# Altium PCB PA-HF_100W-VHF_60W.PcbDoc (part 1 of 3)
Units mm, origin at the board's own origin, x right, y up, seen from the top; angles counter-clockwise.
Board outline 171 x 171 mm, 2 copper layers (Top Layer, Bottom Layer), stack 1.571 mm thick; 392 components, 217 nets, 1277 pads, 139 vias.
Unrouted connection lines stored in the file: 497.
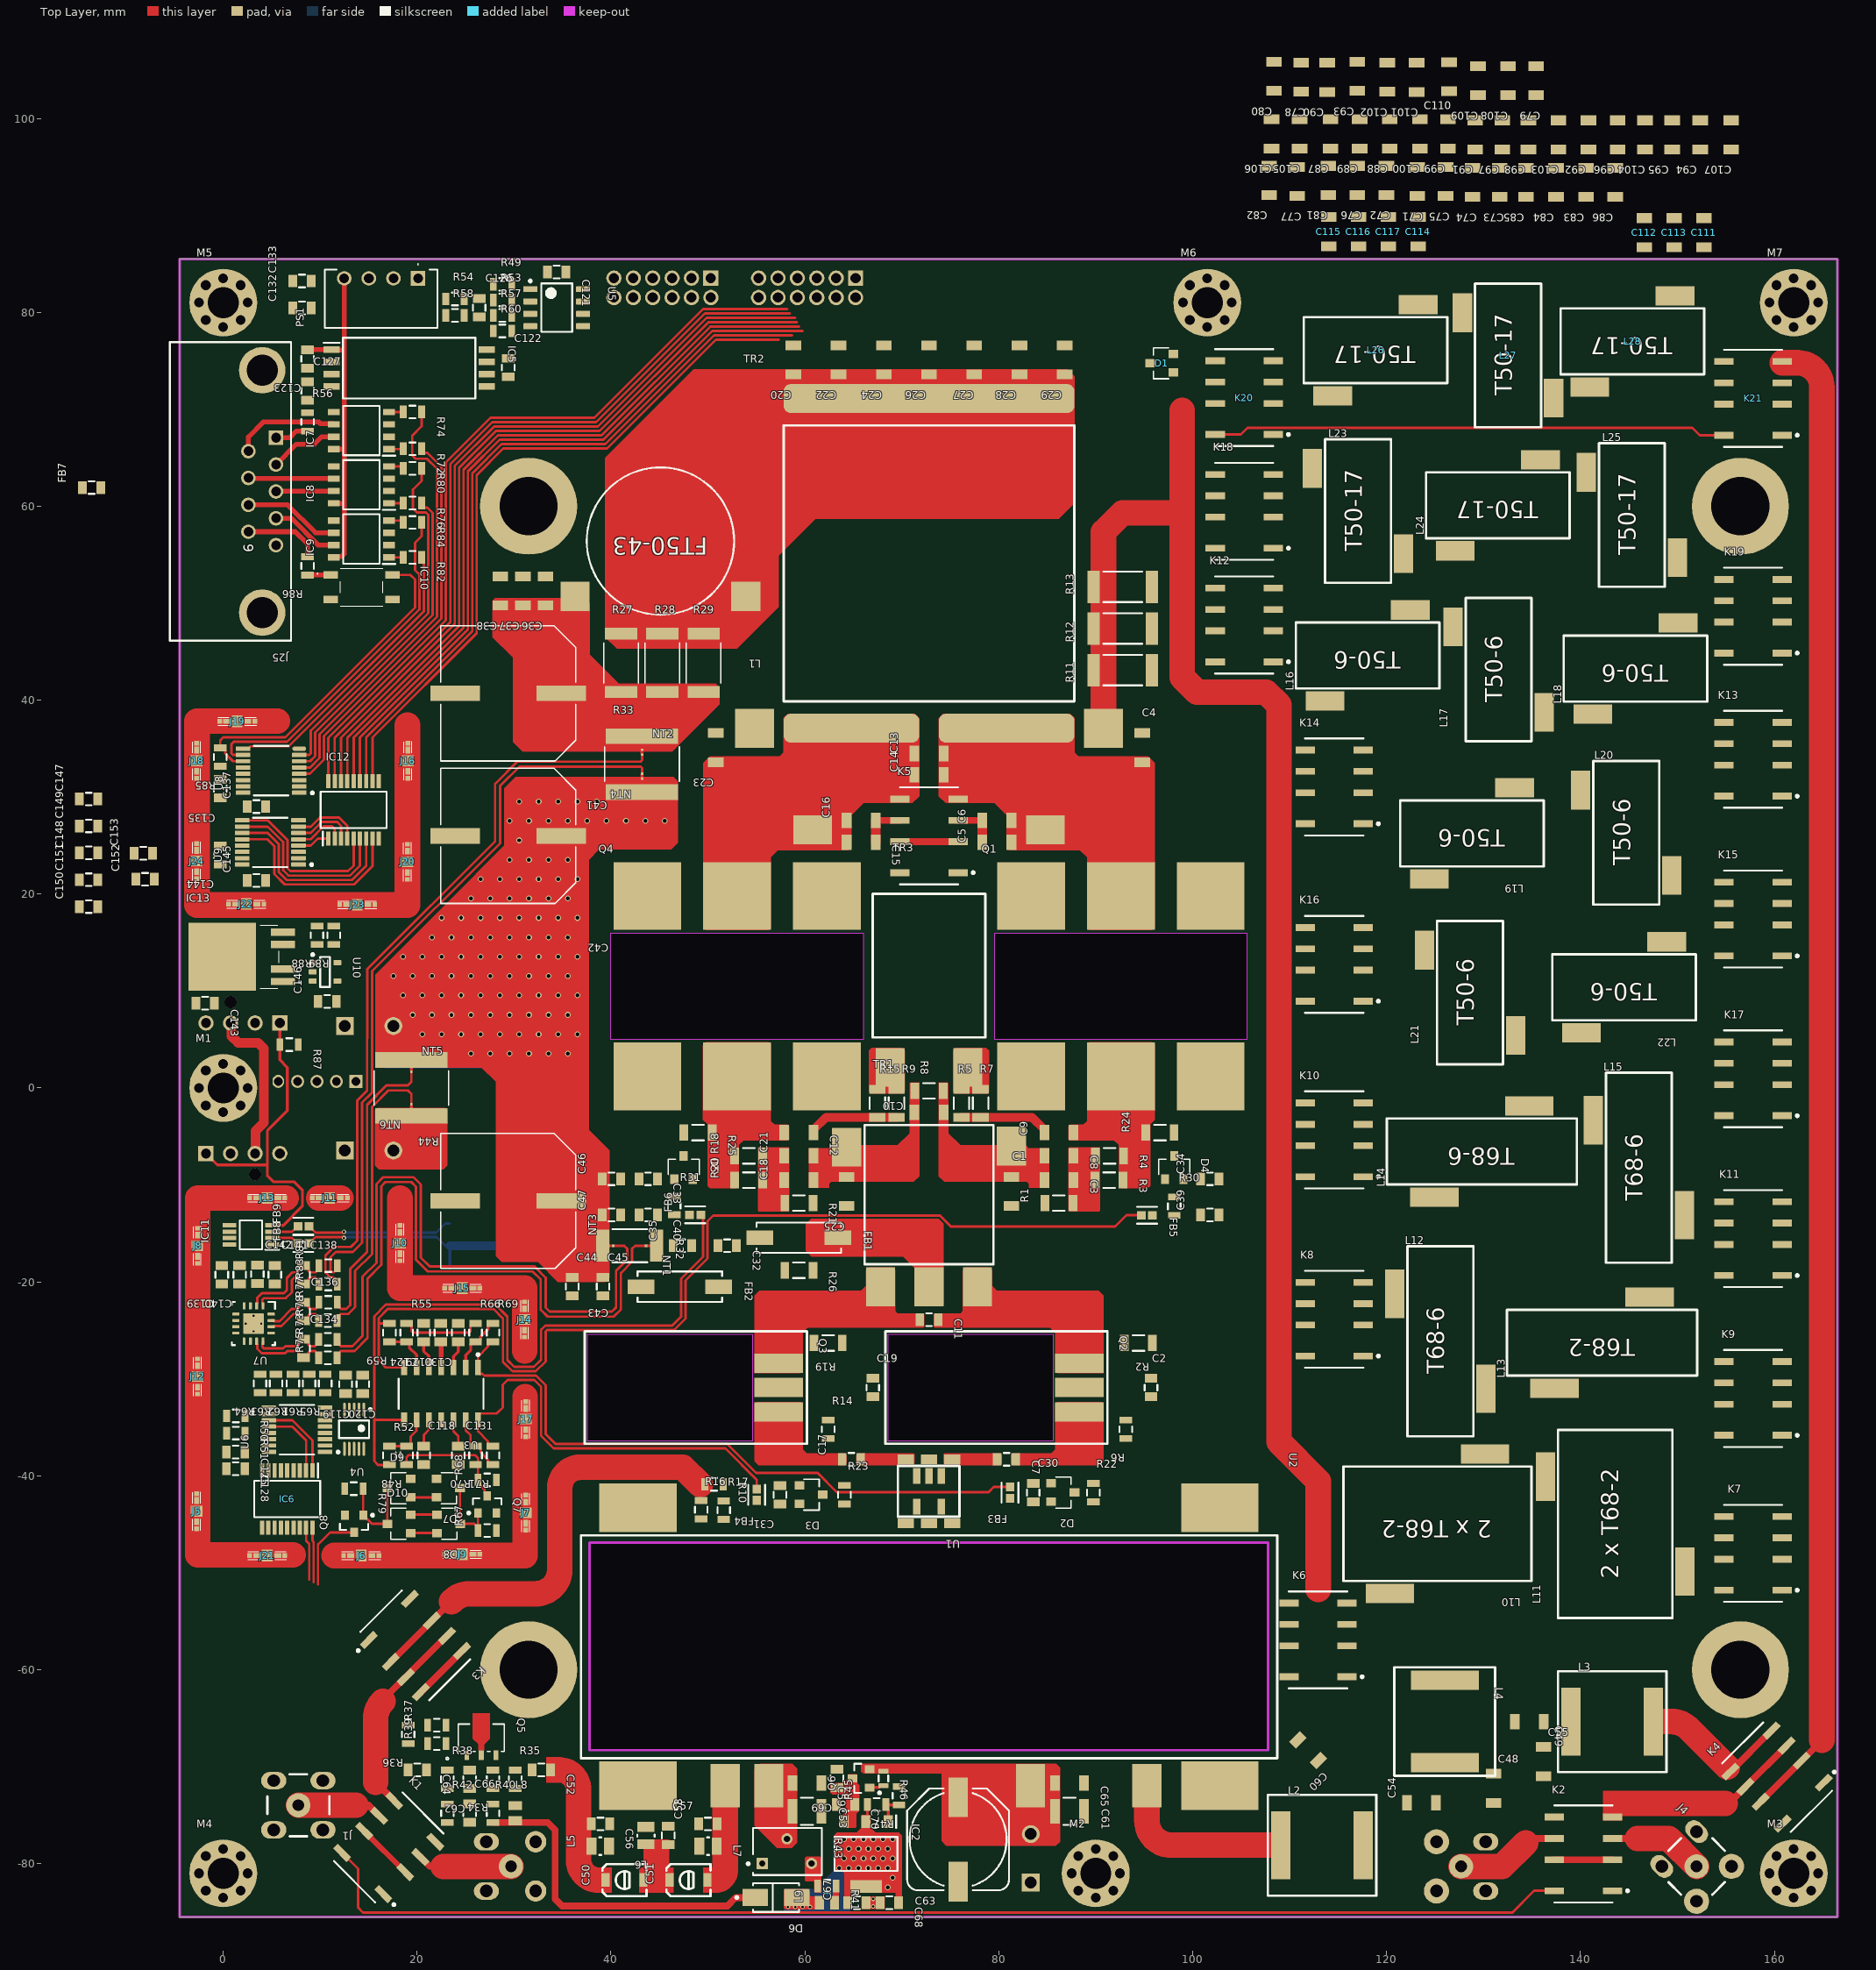
[diagram p0: Top Layer view]
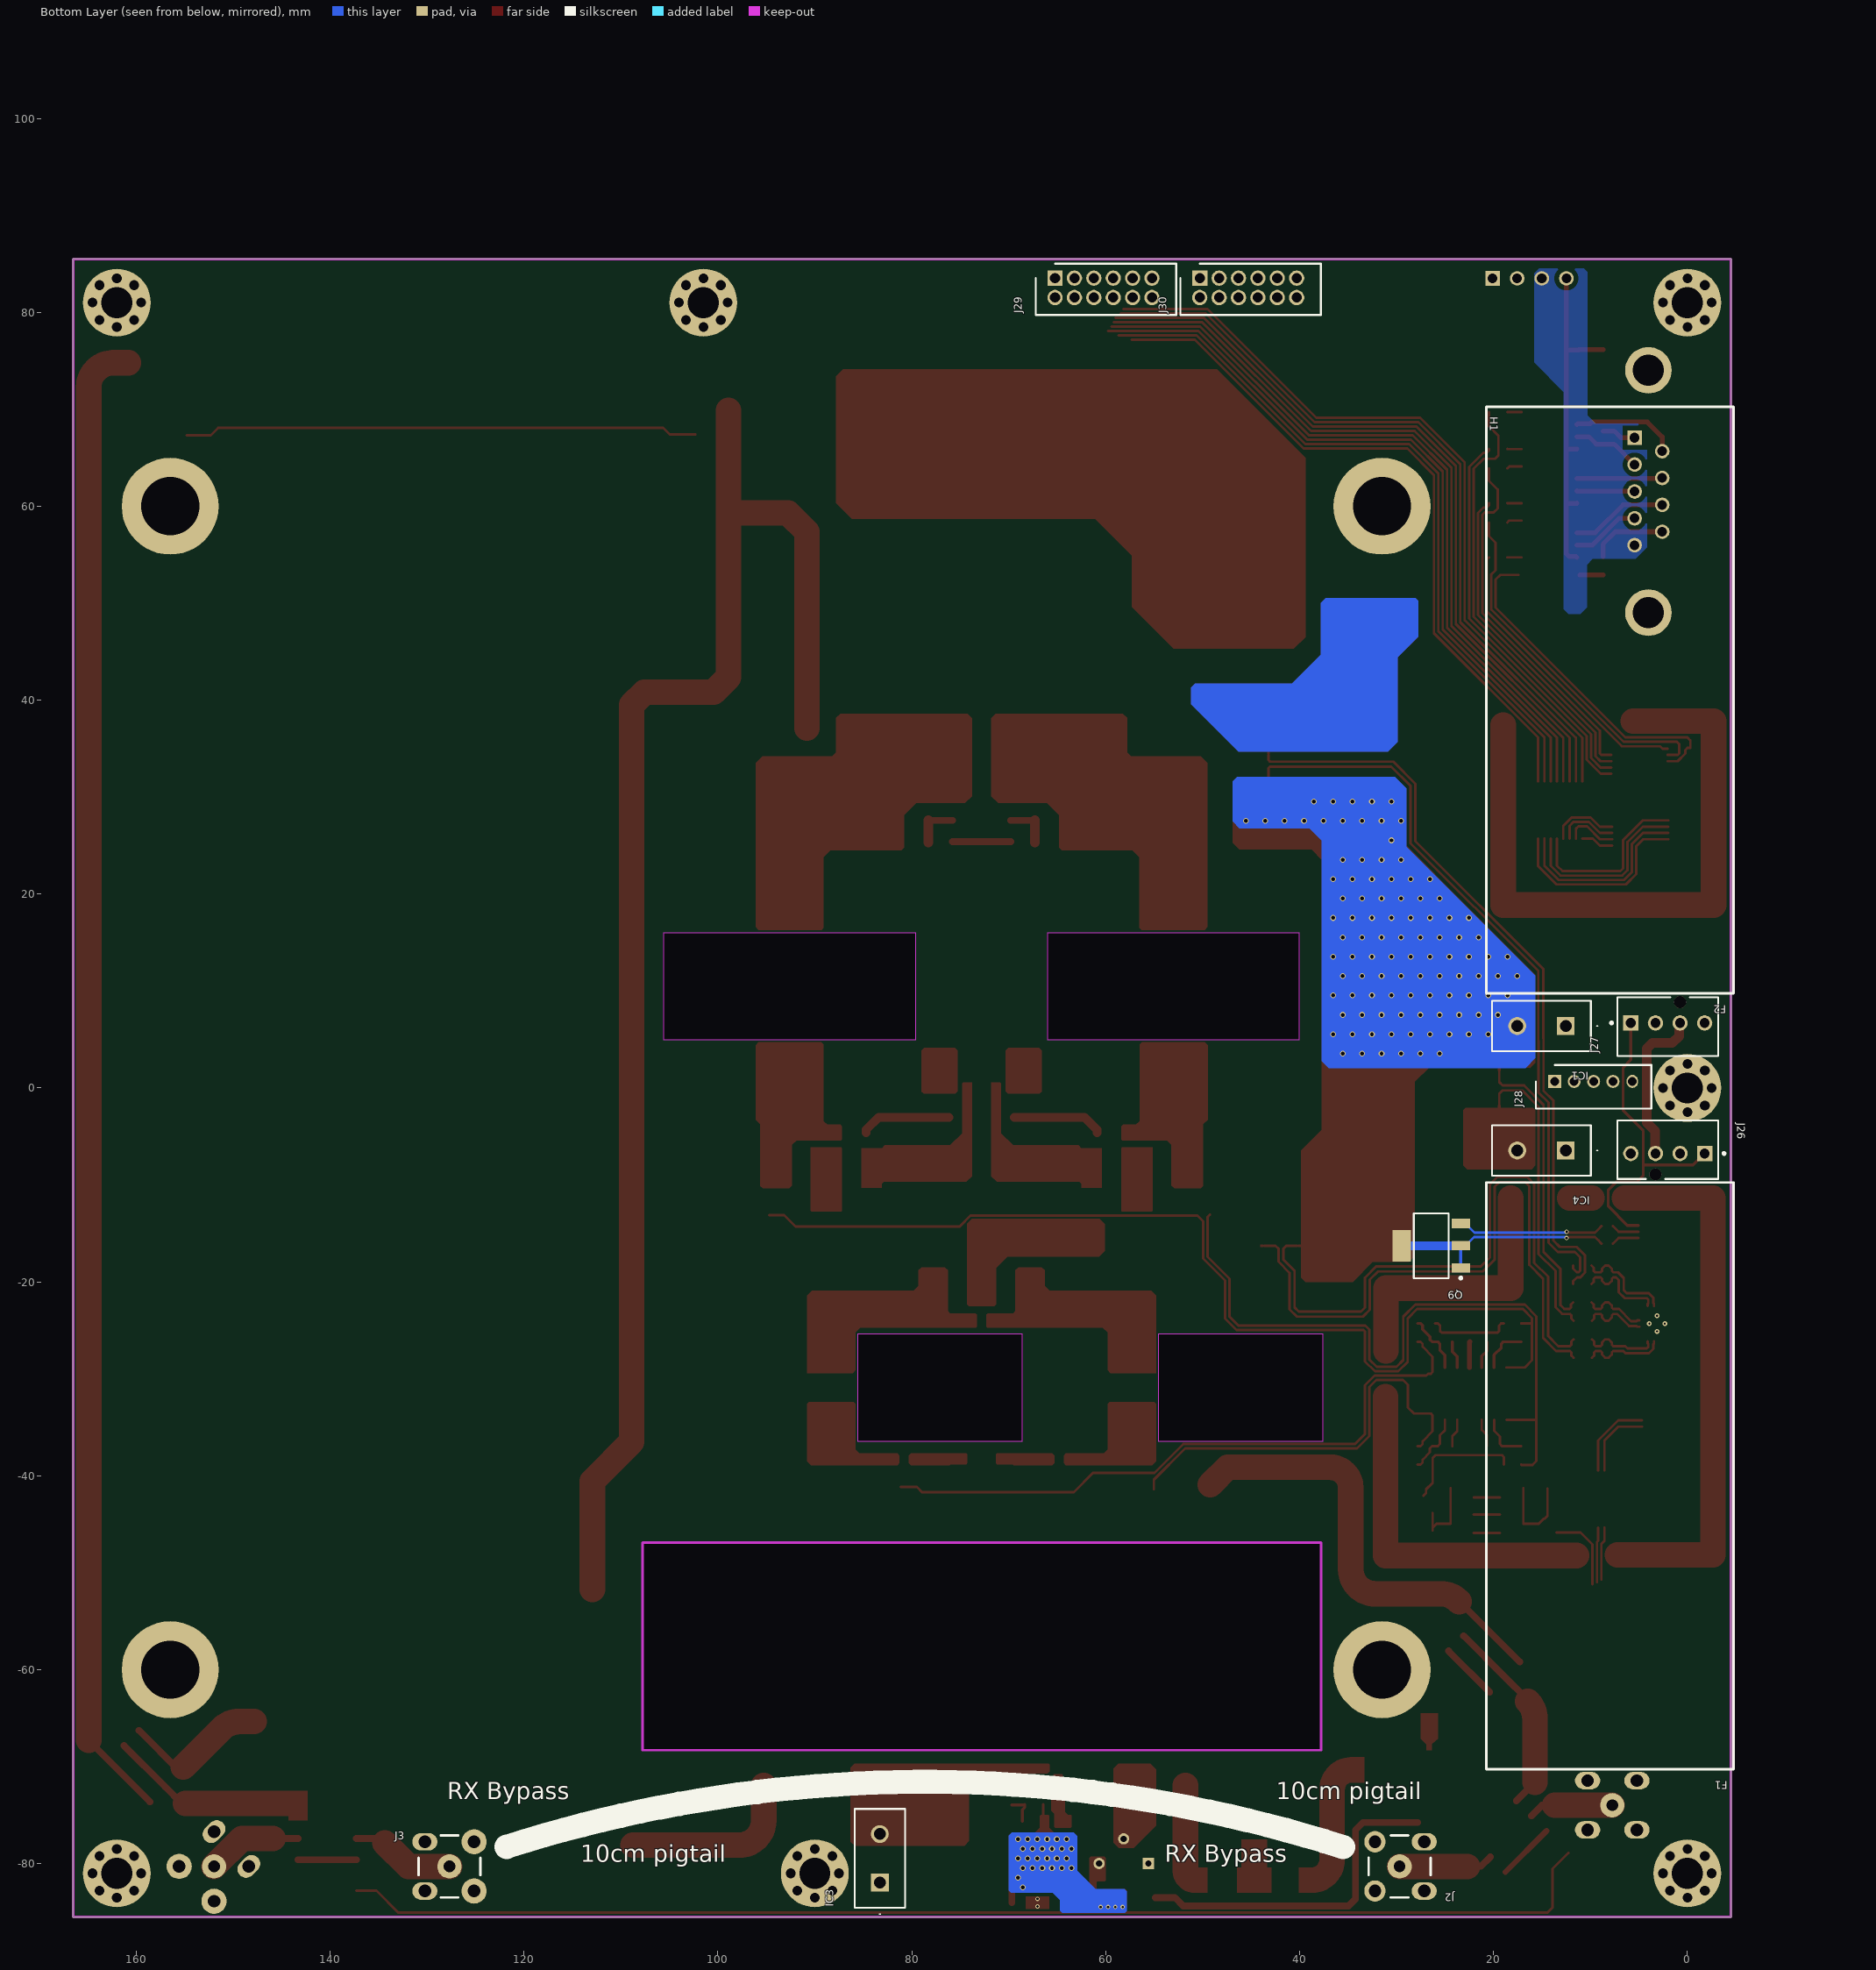
[diagram p1: Bottom Layer view, seen from below]

## Layer stack, top to bottom
Top Solder: solder mask 0.0102, Solder Resist, Dk 3.5
Top Layer: signal copper 0.0356
Dielectric 1: dielectric 1.5, FR-4, Dk 4.8
Bottom Layer: signal copper 0.0356
Bottom Solder: solder mask 0.0102, Solder Resist, Dk 3.5

## Board outline
-4.5,-85.5 -4.5,85.5 166.5,85.5 166.5,-85.5

## Design rules (kind name [scope] priority, off if disabled: settings)
Clearance Clearance_Poly [InPoly] p1: gap=0.5 ignorepadtopadclearanceinfootprint=FALSE
Clearance [All] p2: gap=0.2 ignorepadtopadclearanceinfootprint=FALSE
ComponentClearance [All] p1: gap=0 collisioncheckmode=3 verticalgap=0 showdistances=FALSE
DiffPairsRouting [All] p1: maxlimit=0.254 minlimit=0.254 mostfreqgap=0.254 toplayer_minwidth=0.254 toplayer_maxwidth=0.254 toplayer_prefwidth=0.254 bottomlayer_minwidth=0.254 bottomlayer_maxwidth=0.254 bottomlayer_prefwidth=0.254 maxuncoupledlength=12.7
Height [All] p1: minheight=0 maxheight=70 prefheight=12.7
PolygonConnect [All] p1: connectstyle=Direct reliefconductorwidth=0.254 reliefentries=4 polygonreliefangle="90 Angle" airgapwidth=0.254
RoutingVias [All] p1: holewidth=0.711 width=1.27 viastyle="Through Hole" minholewidth=0.25 minwidth=0.45 maxholewidth=0.711 maxwidth=1.27
SolderMaskExpansion [All] p1: expansion=0.102 istentingtop=FALSE
Width "Schematic Width Constraint_37" [InNet('NetC112_1')] p1: maxlimit=2.636 minlimit=0.5 preferedwidth=2.636 impedanceprofiledriven=TRUE impedanceprofileid={D7C0679C-54CD-4AB5-9CD4-D15E5D809A6F} impedanceprofilevalue=50.000000 minimp=50.000000 maximp=50.000000 favimp=50.000000
Width "Schematic Width Constraint_36" [InNet('NetC111_2')] p2: maxlimit=2.636 minlimit=0.5 preferedwidth=2.636 impedanceprofiledriven=TRUE impedanceprofileid={D7C0679C-54CD-4AB5-9CD4-D15E5D809A6F} impedanceprofilevalue=50.000000 minimp=50.000000 maximp=50.000000 favimp=50.000000
Width "Schematic Width Constraint_35" [InNet('NetC105_1')] p3: maxlimit=2.636 minlimit=0.5 preferedwidth=2.636 impedanceprofiledriven=TRUE impedanceprofileid={D7C0679C-54CD-4AB5-9CD4-D15E5D809A6F} impedanceprofilevalue=50.000000 minimp=50.000000 maximp=50.000000 favimp=50.000000
Width "Schematic Width Constraint_34" [InNet('NetC100_2')] p4: maxlimit=2.636 minlimit=0.5 preferedwidth=2.636 impedanceprofiledriven=TRUE impedanceprofileid={D7C0679C-54CD-4AB5-9CD4-D15E5D809A6F} impedanceprofilevalue=50.000000 minimp=50.000000 maximp=50.000000 favimp=50.000000
Width "Schematic Width Constraint_33" [InNet('NetC77_2')] p5: maxlimit=2.636 minlimit=0.5 preferedwidth=2.636 impedanceprofiledriven=TRUE impedanceprofileid={D7C0679C-54CD-4AB5-9CD4-D15E5D809A6F} impedanceprofilevalue=50.000000 minimp=50.000000 maximp=50.000000 favimp=50.000000
Width "Schematic Width Constraint_32" [InNet('NetC82_1')] p6: maxlimit=2.636 minlimit=0.5 preferedwidth=2.636 impedanceprofiledriven=TRUE impedanceprofileid={D7C0679C-54CD-4AB5-9CD4-D15E5D809A6F} impedanceprofilevalue=50.000000 minimp=50.000000 maximp=50.000000 favimp=50.000000
Width "Schematic Width Constraint_31" [InNet('NetC48_2')] p7: maxlimit=2.636 minlimit=0.5 preferedwidth=2.636 impedanceprofiledriven=TRUE impedanceprofileid={D7C0679C-54CD-4AB5-9CD4-D15E5D809A6F} impedanceprofilevalue=50.000000 minimp=50.000000 maximp=50.000000 favimp=50.000000
Width "Schematic Width Constraint_30" [InNet('NetC88_2')] p8: maxlimit=2.636 minlimit=0.5 preferedwidth=2.636 impedanceprofiledriven=TRUE impedanceprofileid={D7C0679C-54CD-4AB5-9CD4-D15E5D809A6F} impedanceprofilevalue=50.000000 minimp=50.000000 maximp=50.000000 favimp=50.000000
Width "Schematic Width Constraint_29" [InNet('NetC81_1')] p9: maxlimit=2.636 minlimit=0.5 preferedwidth=2.636 impedanceprofiledriven=TRUE impedanceprofileid={D7C0679C-54CD-4AB5-9CD4-D15E5D809A6F} impedanceprofilevalue=50.000000 minimp=50.000000 maximp=50.000000 favimp=50.000000
Width "Schematic Width Constraint_28" [InNet('NetC99_1')] p10: maxlimit=2.636 minlimit=0.5 preferedwidth=2.636 impedanceprofiledriven=TRUE impedanceprofileid={D7C0679C-54CD-4AB5-9CD4-D15E5D809A6F} impedanceprofilevalue=50.000000 minimp=50.000000 maximp=50.000000 favimp=50.000000
Width "Schematic Width Constraint_27" [InNet('NetC64_1')] p11: maxlimit=2.636 minlimit=0.5 preferedwidth=2.636 impedanceprofiledriven=TRUE impedanceprofileid={D7C0679C-54CD-4AB5-9CD4-D15E5D809A6F} impedanceprofilevalue=50.000000 minimp=50.000000 maximp=50.000000 favimp=50.000000
Width "Schematic Width Constraint_26" [InNet('NetC50_2')] p12: maxlimit=2.636 minlimit=0.5 preferedwidth=2.636 impedanceprofiledriven=TRUE impedanceprofileid={D7C0679C-54CD-4AB5-9CD4-D15E5D809A6F} impedanceprofilevalue=50.000000 minimp=50.000000 maximp=50.000000 favimp=50.000000
Width "Schematic Width Constraint_25" [InNet('NetC76_1')] p13: maxlimit=2.636 minlimit=0.5 preferedwidth=2.636 impedanceprofiledriven=TRUE impedanceprofileid={D7C0679C-54CD-4AB5-9CD4-D15E5D809A6F} impedanceprofilevalue=50.000000 minimp=50.000000 maximp=50.000000 favimp=50.000000
Width "Schematic Width Constraint_24" [InNet('NetC48_1')] p14: maxlimit=2.636 minlimit=0.5 preferedwidth=2.636 impedanceprofiledriven=TRUE impedanceprofileid={D7C0679C-54CD-4AB5-9CD4-D15E5D809A6F} impedanceprofilevalue=50.000000 minimp=50.000000 maximp=50.000000 favimp=50.000000
Width "Schematic Width Constraint_23" [InNet('NetC72_2')] p15: maxlimit=2.636 minlimit=0.5 preferedwidth=2.636 impedanceprofiledriven=TRUE impedanceprofileid={D7C0679C-54CD-4AB5-9CD4-D15E5D809A6F} impedanceprofilevalue=50.000000 minimp=50.000000 maximp=50.000000 favimp=50.000000
Width "Schematic Width Constraint_22" [InNet('NetR10_2')] p16: maxlimit=2.636 minlimit=0.5 preferedwidth=2.636 impedanceprofiledriven=TRUE impedanceprofileid={D7C0679C-54CD-4AB5-9CD4-D15E5D809A6F} impedanceprofilevalue=50.000000 minimp=50.000000 maximp=50.000000 favimp=50.000000
Width "Schematic Width Constraint_21" [InNet('NetC50_1')] p17: maxlimit=2.636 minlimit=0.5 preferedwidth=2.636 impedanceprofiledriven=TRUE impedanceprofileid={D7C0679C-54CD-4AB5-9CD4-D15E5D809A6F} impedanceprofilevalue=50.000000 minimp=50.000000 maximp=50.000000 favimp=50.000000
Width "Schematic Width Constraint_20" [InNet('NetC95_1')] p18: maxlimit=2.636 minlimit=0.5 preferedwidth=2.636 impedanceprofiledriven=TRUE impedanceprofileid={D7C0679C-54CD-4AB5-9CD4-D15E5D809A6F} impedanceprofilevalue=50.000000 minimp=50.000000 maximp=50.000000 favimp=50.000000
Width "Schematic Width Constraint_19" [InNet('NetC49_2')] p19: maxlimit=2.636 minlimit=0.5 preferedwidth=2.636 impedanceprofiledriven=TRUE impedanceprofileid={D7C0679C-54CD-4AB5-9CD4-D15E5D809A6F} impedanceprofilevalue=50.000000 minimp=50.000000 maximp=50.000000 favimp=50.000000
Width "Schematic Width Constraint_18" [InNet('NetC87_1')] p20: maxlimit=2.636 minlimit=0.5 preferedwidth=2.636 impedanceprofiledriven=TRUE impedanceprofileid={D7C0679C-54CD-4AB5-9CD4-D15E5D809A6F} impedanceprofilevalue=50.000000 minimp=50.000000 maximp=50.000000 favimp=50.000000
Width "Schematic Width Constraint_17" [InNet('NetL2_1')] p21: maxlimit=2.636 minlimit=0.5 preferedwidth=2.636 impedanceprofiledriven=TRUE impedanceprofileid={D7C0679C-54CD-4AB5-9CD4-D15E5D809A6F} impedanceprofilevalue=50.000000 minimp=50.000000 maximp=50.000000 favimp=50.000000
Width "Schematic Width Constraint_16" [InNet('NetC71_1')] p22: maxlimit=2.636 minlimit=0.5 preferedwidth=2.636 impedanceprofiledriven=TRUE impedanceprofileid={D7C0679C-54CD-4AB5-9CD4-D15E5D809A6F} impedanceprofilevalue=50.000000 minimp=50.000000 maximp=50.000000 favimp=50.000000
Width "Schematic Width Constraint_15" [InNet('NetC51_2')] p23: maxlimit=2.636 minlimit=0.5 preferedwidth=2.636 impedanceprofiledriven=TRUE impedanceprofileid={D7C0679C-54CD-4AB5-9CD4-D15E5D809A6F} impedanceprofilevalue=50.000000 minimp=50.000000 maximp=50.000000 favimp=50.000000
Width "Schematic Width Constraint_14" [InNet('NetC104_2')] p24: maxlimit=2.636 minlimit=0.5 preferedwidth=2.636 impedanceprofiledriven=TRUE impedanceprofileid={D7C0679C-54CD-4AB5-9CD4-D15E5D809A6F} impedanceprofilevalue=50.000000 minimp=50.000000 maximp=50.000000 favimp=50.000000
Width "Schematic Width Constraint_13" [InNet('NetC94_2')] p25: maxlimit=2.636 minlimit=0.5 preferedwidth=2.636 impedanceprofiledriven=TRUE impedanceprofileid={D7C0679C-54CD-4AB5-9CD4-D15E5D809A6F} impedanceprofilevalue=50.000000 minimp=50.000000 maximp=50.000000 favimp=50.000000
Width "Schematic Width Constraint_12" [InNet('NetK4_4')] p26: maxlimit=2.636 minlimit=0.5 preferedwidth=2.636 impedanceprofiledriven=TRUE impedanceprofileid={D7C0679C-54CD-4AB5-9CD4-D15E5D809A6F} impedanceprofilevalue=50.000000 minimp=50.000000 maximp=50.000000 favimp=50.000000
Width "Schematic Width Constraint_11" [InNet('NetK4_2')] p27: maxlimit=2.636 minlimit=0.5 preferedwidth=2.636 impedanceprofiledriven=TRUE impedanceprofileid={D7C0679C-54CD-4AB5-9CD4-D15E5D809A6F} impedanceprofilevalue=50.000000 minimp=50.000000 maximp=50.000000 favimp=50.000000
Width "Schematic Width Constraint_10" [InNet('NetJ1_5')] p28: maxlimit=2.636 minlimit=0.5 preferedwidth=2.636 impedanceprofiledriven=TRUE impedanceprofileid={D7C0679C-54CD-4AB5-9CD4-D15E5D809A6F} impedanceprofilevalue=50.000000 minimp=50.000000 maximp=50.000000 favimp=50.000000
Width "Schematic Width Constraint_9" [InNet('NetK1_2')] p29: maxlimit=2.636 minlimit=0.5 preferedwidth=2.636 impedanceprofiledriven=TRUE impedanceprofileid={D7C0679C-54CD-4AB5-9CD4-D15E5D809A6F} impedanceprofilevalue=50.000000 minimp=50.000000 maximp=50.000000 favimp=50.000000
Width "Schematic Width Constraint_8" [InNet('NetK2_2')] p30: maxlimit=2.636 minlimit=0.5 preferedwidth=2.636 impedanceprofiledriven=TRUE impedanceprofileid={D7C0679C-54CD-4AB5-9CD4-D15E5D809A6F} impedanceprofilevalue=50.000000 minimp=50.000000 maximp=50.000000 favimp=50.000000
Width "Schematic Width Constraint_7" [InNet('NetK2_4')] p31: maxlimit=2.636 minlimit=0.5 preferedwidth=2.636 impedanceprofiledriven=TRUE impedanceprofileid={D7C0679C-54CD-4AB5-9CD4-D15E5D809A6F} impedanceprofilevalue=50.000000 minimp=50.000000 maximp=50.000000 favimp=50.000000
Width "Schematic Width Constraint_6" [InNet('NetK3_2')] p32: maxlimit=2.636 minlimit=0.5 preferedwidth=2.636 impedanceprofiledriven=TRUE impedanceprofileid={D7C0679C-54CD-4AB5-9CD4-D15E5D809A6F} impedanceprofilevalue=50.000000 minimp=50.000000 maximp=50.000000 favimp=50.000000
Width "Schematic Width Constraint_5" [InNet('NetJ3_5')] p33: maxlimit=2.636 minlimit=0.5 preferedwidth=2.636 impedanceprofiledriven=TRUE impedanceprofileid={D7C0679C-54CD-4AB5-9CD4-D15E5D809A6F} impedanceprofilevalue=50.000000 minimp=50.000000 maximp=50.000000 favimp=50.000000
Width "Schematic Width Constraint_4" [InNet('NetK3_4')] p34: maxlimit=2.636 minlimit=0.5 preferedwidth=2.636 impedanceprofiledriven=TRUE impedanceprofileid={D7C0679C-54CD-4AB5-9CD4-D15E5D809A6F} impedanceprofilevalue=50.000000 minimp=50.000000 maximp=50.000000 favimp=50.000000
Width "Schematic Width Constraint_3" [InNet('NetK6_4')] p35: maxlimit=2.636 minlimit=0.5 preferedwidth=2.636 impedanceprofiledriven=TRUE impedanceprofileid={D7C0679C-54CD-4AB5-9CD4-D15E5D809A6F} impedanceprofilevalue=50.000000 minimp=50.000000 maximp=50.000000 favimp=50.000000
Width "Schematic Width Constraint_2" [InNet('NetJ4_5')] p36: maxlimit=2.636 minlimit=0.5 preferedwidth=2.636 impedanceprofiledriven=TRUE impedanceprofileid={D7C0679C-54CD-4AB5-9CD4-D15E5D809A6F} impedanceprofilevalue=50.000000 minimp=50.000000 maximp=50.000000 favimp=50.000000
Width "Schematic Width Constraint_1" [InNet('NetJ2_5')] p37: maxlimit=2.636 minlimit=0.5 preferedwidth=2.636 impedanceprofiledriven=TRUE impedanceprofileid={D7C0679C-54CD-4AB5-9CD4-D15E5D809A6F} impedanceprofilevalue=50.000000 minimp=50.000000 maximp=50.000000 favimp=50.000000
Width "Schematic Width Constraint" [InNet('NetK1_5')] p38: maxlimit=2.636 minlimit=0.5 preferedwidth=2.636 impedanceprofiledriven=TRUE impedanceprofileid={D7C0679C-54CD-4AB5-9CD4-D15E5D809A6F} impedanceprofilevalue=50.000000 minimp=50.000000 maximp=50.000000 favimp=50.000000
Width [All] p39: maxlimit=10 minlimit=0.254 preferedwidth=0.254
27 further rules are at their usual default settings.

## Classes and differential pairs
net class LPF[7..0]: LPF0 LPF1 LPF2 LPF3 LPF4 LPF5 LPF6 LPF7
net class DRV_BIAS[1..0]: DRV_BIAS0 DRV_BIAS1 N000-1_0 N000-1_1
net class BIAS[1..0]: BIAS0 BIAS1
component class Designator: C71 C72 C73 C74 C75 C76 C77 C78 C79 C80 C81 C82 C83 C84 C85 C86 C87 C88 C89 C90 C91 C92 C93 C94 C95 C96 C97 C98 C99 C100 C101 C102 C103 C104 C105 C106 C107 C108 C109 C110 C111 C112 C113 C114 C115 C116 C117 K6 K7 K8 K9 K10 K11 K12 K13 K14 K15 K16 K17 K18 K19 K20 K21 L10 L11 L12 L13 L14 L15 L16 L17 L18 L19 L20 L21 L22 L23 L24 L25 L26 L27 L28
component class Designator: C1 C2 C3 C4 C5 C6 C7 C8 C9 C10 C11 C12 C13 C14 C15 C16 C17 C18 C19 C20 C21 C22 C23 C24 C25 C26 C27 C28 C29 C30 C31 C32 C33 C34 C35 C36 C37 C38 C39 C40 C41 C42 C43 C44 C45 C46 C47 D1 D2 D3 D4 D5 FB1 FB2 FB3 FB4 FB5 FB6 FB7 IC1 K5 L1 NT1 NT2 NT3 NT4 Q1 Q2 Q3 Q4 R1 R2 R3 R4 R5 R6 R7 R8 R9 R10 R11 R12 R13 R14 R15 R16 R17 R18 R19 R20 R21 R22 R23 R24 R25 R26 R27 R28 R29 R30 R31 R32 R33 TR1 TR2 TR3 U1
component class PA-HF_100W-VHF_60W: F1 F2 H1 J1 J2 J3 J4 J5 J6 J7 J8 J9 J10 J11 J12 J13 J14 J15 J16 J17 J18 J19 J20 J21 J22 J23 J24 K1 K2 K3 K4 M1 M2 M3 M4 M5 M6 M7
differential pair IN3: +IN3_P -IN3_N
differential pair IN2: +IN2_P -IN2_N
differential pair IN1: +IN1_P -IN1_N
differential pair DRV_CURR: +DRV_CURR_P -DRV_CURR_N
differential pair VHF_CURR: +VHF_CURR_P -VHF_CURR_N
differential pair OUT_CURR: +OUT_CURR_P -OUT_CURR_N

## Components (designator, comment, footprint, x,y, rotation, side; value= is the part's Value field where it differs from the comment)
C1 "100pF 100V NPO" C-1206 81.3,-10.675 r90 top
C2 "15nF 50V" C-0805 95.7,-30.9 r90 top
C3 "10nF 200V" C-1206 86.2,-9.5 r0 top
C4 "100pF 100V NPO" C-1206 94.8,35.1 r90 top
C5 "18pF 100V NPO" C-1206 79.8,25.325 r180 top
C6 "1000pF 100V NPO" C-1206 79.8,27.6 r180 top
C7 "100nF 50V" C-0805 80.8,-38.3 r0 top
C8 "1nF 250V NP0" C-1206 86.2,-7 r0 top
C9 "4.7nF 100V NPO" C-1206 86.2,-4.6 r180 top
C10 "200pF 100V NPO" C-1206 72.8,-2.5 r180 top
C11 "100pF 100V" C-0805 72.8,-23.9 r0 top
C12 "4.7nF 100V NPO" C-1206 59.375,-4.6 r0 top
C13 "680pF 100V NPO" C-1206 72.8,34.5 r180 top
C14 "68pF 100V NPO" C-1206 72.8,32.3 r180 top
C15 "18pF 100V NPO" C-1206 65.8,25.325 r0 top
C16 "1800pF 100V NPO" C-1206 65.8,27.6 r180 top
C17 "100nF 50V" C-0805 64.8,-38.3 r180 top
C18 "1nF 250V NP0" C-1206 59.375,-9.5 r180 top
C19 "15nF 50V" C-0805 67,-30.9 r90 top
C20 "100nF 50V X7R" C-1206 58.8,75.1 r270 top
C21 "10nF 200V" C-1206 59.375,-7 r180 top
C22 "100nF 50V X7R" C-1206 63.467,75.1 r270 top
C23 "100pF 100V NPO" C-1206 50.8,35.1 r270 top
C24 "100nF 50V X7R" C-1206 68.133,75.1 r270 top
C25 "100pF 100V NPO" C-1206 64.3,-10.675 r270 top
C26 "100nF 50V X7R" C-1206 72.8,75.1 r270 top
C27 "100nF 50V X7R" C-1206 77.467,75.1 r270 top
C28 "100nF 50V X7R" C-1206 82.133,75.1 r270 top
C29 "100nF 50V X7R" C-1206 86.8,75.1 r270 top
C30 "100nF 50V" C-0805 83.55,-41.725 r90 top
C31 "100nF 50V" C-0805 57.425,-41.95 r270 top
C32 "100nF 50V" C-0805 51.975,-16.275 r0 top
C33 "100nF 50V" C-0805 43.825,-9.375 r0 top
C34 "100nF 50V" C-0805 101.775,-9.375 r180 top
C35 "100nF 50V" C-0805 47.35,-16.275 r180 top
C36 "100nF 50V X7R" C-1206 33.234,51.258 r270 top locked
C37 "100nF 50V X7R" C-1206 30.909,51.258 r270 top locked
C38 "100nF 50V X7R" C-1206 28.584,51.258 r270 top locked
C39 "100nF 50V" C-0805 101.775,-13.1 r180 top
C40 "100nF 50V" C-0805 43.825,-13.1 r0 top
C41 "EEE-TKC102UAQ" CAP_PAN_EEE_H13_PAN 29.4,40.7 r180 top locked
C42 "EEE-TKC102UAQ" CAP_PAN_EEE_H13_PAN 29.4,26 r180 top locked
C43 "EEE-TKC102UAQ" CAP_PAN_EEE_H13_PAN 29.4,-11.65 r180 top
C44 "100nF 50V" C-0805 36,-20.5 r90 top
C45 "100nF 50V" C-0805 39.175,-20.5 r90 top
C46 "100nF 50V" C-0805 40.05,-9.375 r180 top
C47 "100nF 50V" C-0805 40.05,-13.1 r180 top
C48 "2pF 100V NPO" C-1206 131.025,-72.225 r90 top
C49 "2pF 100V NPO" C-1206 134.725,-65.35 r0 top
C50 "5.5-30pF" CAP-ADJ-SMD_L4.5-W3.2-L 41.4,-81.7 r180 top
C51 "5.5-30pF" CAP-ADJ-SMD_L4.5-W3.2-L 48,-81.7 r180 top
C52 "100nF 50V" C-0805 32.8,-70.325 r0 top
C53 "1210YD226KAT2A" FP-1210-L_3_3_0_4-W_2_5_0-MFG 60.2,-74.6 r0 top
C54 "5pF 100V NPO" C-1206 123.6,-73.725 r180 top
C55 "5pF 100V NPO" C-1206 136.175,-69.475 r90 top
C56 "120pF NP0" C-0805 38.9,-75.9 r0 top
C57 "100pF NP0" C-0805 45.9,-77.1 r90 top
C58 "120pF NP0" C-0805 50,-75.9 r180 top
C59 "4.7nF 100V NPO" C-1206 60.2,-71.7 r0 top
C60 "5pF 100V NPO" C-1206 111.9,-68.3 r315 top
C61 "1210YD226KAT2A" FP-1210-L_3_3_0_4-W_2_5_0-MFG 87.3,-74.6 r0 top
C62 "10nF 50V" C-0805 25.425,-71.3 r270 top
C63 "470uF 25V" SMD-G-10X10.2 75.8,-77.5 r90 top value=470µF
C64 "100nF 50V" C-0805 20.025,-70.325 r0 top
C65 "4.7nF 100V NPO" C-1206 87.3,-71.7 r0 top
C66 "100nF 50V" C-0805 25.425,-74.8 r90 top
C67 "1uF 50V" C-0805 65.35,-84.025 r180 top
C68 "100nF 50V" C-0805 68.725,-84.025 r0 top
C69 "1uF 50V" C-0805 63.3,-71.2 r270 top
C70 "100nF 50V" C-0805 64.2,-73.9 r0 top
C71 "680pF NP0 500V" C-1206 123.175,93.5 r270 top
C72 "270pF NP0 630V" C-1206 119.975,93.6 r270 top
C73 "560pF NP0 630V" C-1206 131.675,93.4 r270 top